# Altium PCB 脑电采集板V6.0.PcbDoc (part 1 of 2) (continued)
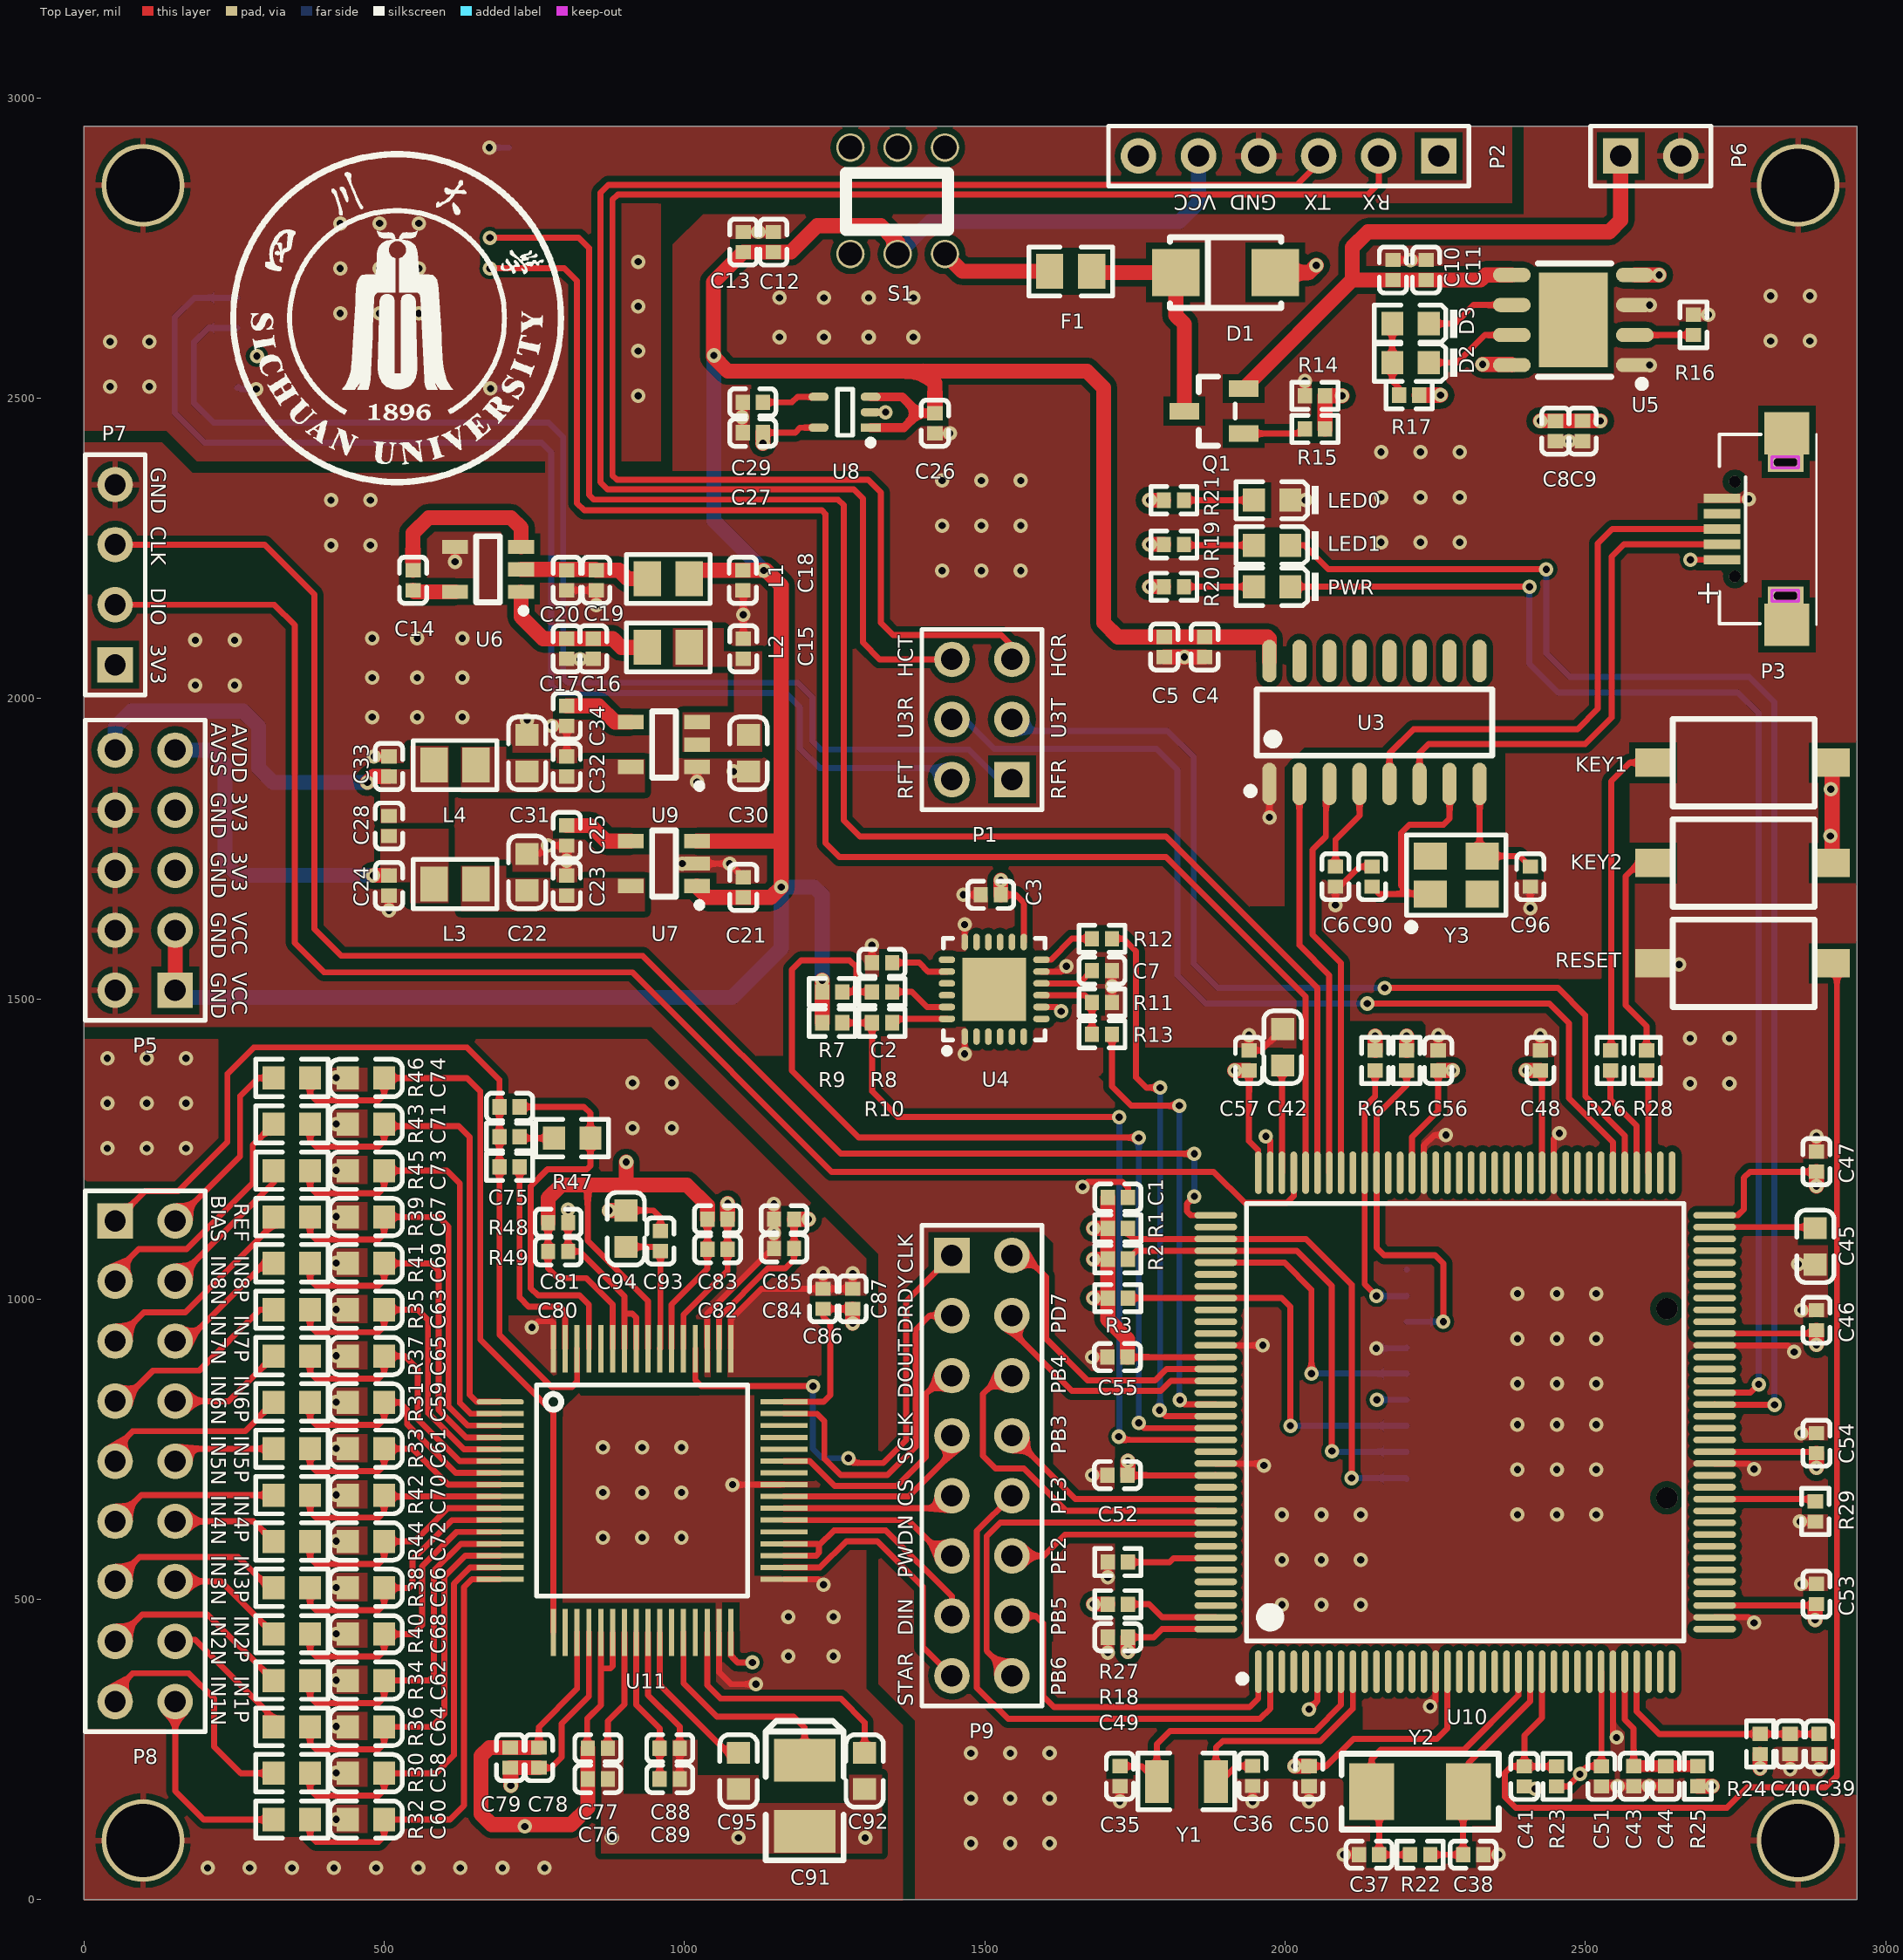
[diagram p0: Top Layer view]
## Components (designator, comment, footprint, x,y, rotation, side; value= is the part's Value field where it differs from the comment)
C1 "100nF" 0402_C 1721.73,1169 r180 top
C2 "10uF" 0402_C 1329,1560 r180 top
C3 "100nF" 0402_C 1510,1673 r180 top
C4 "10uF (106) 20% 6.3V" 0402_C 1866,2085.73 r270 top
C5 "100nF (104) 10% 16V" 0402_C 1799,2085.73 r270 top
C6 "100nF" 0402_C 2084,1703.27 r270 top
C7 "100nF" 0402_C 1695.27,1547 r180 top
C8 "100nF" 0402_C 2450.27,2445.17 r90 top
C9 "10uF" 0402_C 2495.27,2445.21 r90 top
C10 "10uF" 0402_C 2179.61,2713.27 r270 top
C11 "100nF" 0402_C 2234.73,2713.27 r270 top
C12 "100nF" 0402_C 1148,2759.73 r270 top
C13 "10uF" 0402_C 1098,2759.81 r270 top
C14 "1uF" 0402_C 548,2196.73 r90 top
C15 "10uF" 0402_C 1098,2082.64 r270 top
C16 "1uF" 0402_C 847.96,2082.64 r90 top
C17 "10uF" 0402_C 804.02,2082.64 r90 top
C18 "10uF" 0402_C 1097,2196.73 r90 top
C19 "1uF" 0402_C 853,2196.73 r90 top
C20 "10uF" 0402_C 804.02,2196.73 r90 top
C21 "1uF" 0402_C 1098,1685.42 r270 top
C22 "2.2uF" 0603_C 737.96,1710.63 r270 top
C23 "10uF" 0402_C 804.02,1688.58 r270 top
C24 "10uF" 0402_C 507.96,1688.58 r90 top
C25 "1uF" 0402_C 804.02,1771.73 r90 top
C26 "1uF" 0402_C 1417,2458.24 r90 top
C27 "1uF" 0402_C 1113.75,2442.5 r0 top
C28 "100nF" 0402_C 507.96,1787.66 r270 top
C29 "10nF" 0402_C 1113.75,2493 r0 top
C30 "2.2uF" 0603_C 1106.46,1908.78 r90 top
C31 "2.2uF" 0603_C 737.96,1908.78 r270 top
C32 "10uF" 0402_C 804.02,1886.73 r270 top
C33 "10uF" 0402_C 507.96,1886.73 r270 top
C34 "10nF" 0402_C 804.02,1970.94 r90 top
C35 "10pF" 0402_C 1725,205.67 r90 top
C36 "10pF" 0402_C 1946,206 r90 top
C37 "22pF" 0402_C 2140,75 r0 top
C38 "22pF" 0402_C 2313.27,75 r180 top
C39 "10uF  10V" 0402_C 2889.43,259.27 r270 top
C40 "100nF  50V" 0402_C 2841,259.27 r270 top
C41 "100nF  50V" 0402_C 2398.52,205.27 r90 top
C42 "2.2uF 16V" 0603_C 1996,1419.32 r270 top
C43 "10uF  10V" 0402_C 2580.44,205.67 r90 top
C44 "100nF  50V" 0402_C 2633.92,205.67 r90 top
C45 "2.2uF (225) 10% 16V" 0603_C 2883,1087.68 r90 top
C46 "100nF" 0402_C 2885,964.73 r270 top
C47 "100nF" 0402_C 2885,1228.73 r270 top
C48 "100nF" 0402_C 2425,1397.27 r270 top
C49 "100nF" 0402_C 1721.73,437 r0 top
C50 "100nF" 0402_C 2040,205.67 r90 top
C51 "100nF" 0402_C 2526.96,205.27 r90 top
C52 "100nF" 0402_C 1721,707 r0 top
C53 "100nF" 0402_C 2885,509 r270 top
C54 "100nF" 0402_C 2885,760 r270 top
C55 "100nF" 0402_C 1721,903.27 r0 top
C56 "100nF" 0402_C 2255,1397.27 r270 top
C57 "100nF" 0402_C 1940,1397.27 r270 top
C58 "4.7nF" 0603_C 469.68,210.61 r0 top
C59 "4.7nF" 0603_C 469.68,827.94 r0 top
C60 "4.7nF" 0603_C 469.69,133.44 r180 top
C61 "4.7nF" 0603_C 469.69,750.78 r180 top
C62 "4.7nF" 0603_C 469.68,364.94 r0 top
C63 "4.7nF" 0603_C 469.68,982.28 r0 top
C64 "4.7nF" 0603_C 469.69,287.78 r180 top
C65 "4.7nF" 0603_C 469.69,905.11 r180 top
C66 "4.7nF" 0603_C 469.68,519.28 r0 top
C67 "4.7nF" 0603_C 469.68,1136.61 r0 top
C68 "4.7nF" 0603_C 469.69,442.11 r180 top
C69 "4.7nF" 0603_C 469.69,1059.44 r180 top
C70 "4.7nF" 0603_C 469.68,673.61 r0 top
C71 "4.7nF" 0603_C 469.68,1290.94 r0 top
C72 "4.7nF" 0603_C 469.69,596.44 r180 top
C73 "4.7nF" 0603_C 469.69,1213.78 r180 top
C74 "4.7nF" 0603_C 469.68,1368.11 r0 top
C75 "10nF" 0402_C 708.73,1320 r0 top
C76 "1uF 50V" 0402_C 855.68,201 r0 top
C77 "100nF 50V" 0402_C 855.68,252.2 r0 top
C78 "1uF 50V" 0402_C 757.68,236.46 r270 top
C79 "100nF 50V" 0402_C 709.81,236.46 r270 top
C80 "1uF 50V" 0402_C 789.57,1079.41 r0 top
C81 "100nF 50V" 0402_C 789.57,1127.26 r0 top
C82 "1uF 50V" 0402_C 1055,1083 r0 top
C83 "100nF 50V" 0402_C 1055,1133 r0 top
C84 "1uF 50V" 0402_C 1165.79,1084.57 r180 top
C85 "100nF 50V" 0402_C 1165.79,1133 r180 top
C86 "1uF 50V" 0402_C 1231,1000.46 r90 top
C87 "100nF 50V" 0402_C 1280,1000.46 r90 top
C88 "10uF" 0402_C 975.42,252.2 r180 top
C89 "100nF" 0402_C 975.42,201 r0 top
C90 "22pF" 0402_C 2145,1703.27 r270 top
C91 "100uF" CASE-B_3528 1200,173 r90 top
C92 "1uF" 0603_C 1300,214.41 r90 top
C93 "100nF" 0402_C 960,1096.73 r270 top
C94 "1uF" 0603_C 902.36,1117.2 r270 top
C95 "1uF" 0603_C 1090,214.41 r90 top
C96 "22pF" 0402_C 2408.27,1703.27 r90 top
D1 "SS210" SMA(DO-214AC)_S1 1901,2709 r0 top
D2 "红灯 0603" 0603_LED_S1 2208.89,2559.09 r180 top
D3 "绿灯 0603" 0603_LED_S1 2208.89,2624 r180 top
F1 "Fuse 1A" 0805_R 1643.04,2711 r180 top
KEY1 "SW-PB" KEY_3.6*2.5 2762,1893 r180 top
KEY2 "SW-PB" KEY_3.6*2.5 2762,1726 r180 top
L1 "3.3uH±10%" 0805_L 972.96,2199.09 r180 top
L2 "3.3uH±10%" 0805_L 972.96,2085 r0 top
L3 "3.3uH±10%" 0805_L 617.92,1690.94 r180 top
L4 "3.3uH±10%" 0805_L 617.92,1889.09 r180 top
LED0 "红灯 0603" 0603_LED_S1 1978.61,2330 r180 top (schematic designator D6)
LED1 "绿灯 0603" 0603_LED_S1 1978.61,2255 r180 top (schematic designator D4)
P1 "蓝牙选择" HDR2X3 1545.28,1865 r90 top
P2 "HC-05_CON" HDR1X6 2256,2903 r180 top
P3 "USB" MICRO-USB 2814,2282 r90 top
P5 "电源" HDR2X5 152,1514 r90 top
P6 "battery" HDR1X2 2559,2903 r0 top
P7 "SWD" HDR1X4 52,2056 r90 top
P8 "Header 9X2" HDR2X9 52,1130 r270 top
P9 "Header 8X2" HDR2X8 1445.28,1072.52 r270 top
PWR "绿灯 0603" 0603_LED_S1 1978.61,2186 r180 top (schematic designator D5)
Q1 "BSS84LT1G" SOT-23(SOT-23-3) 1881.79,2478.4 r0 top
R1 "47KΩ" 0402_R 1721.73,1117.58 r180 top
R2 "47KΩ" 0402_R 1721.73,1066.46 r180 top
R3 "47KΩ" 0402_R 1721.73,1001.69 r180 top
R5 "47KΩ" 0402_R 2202.5,1397.27 r90 top
R6 "47KΩ" 0402_R 2150,1397.27 r90 top
R7 "4.7KΩ" 0402_R 1246,1511.37 r0 top
R8 "120Ω" 0402_R 1329,1511.37 r180 top
R9 "4.7KΩ" 0402_R 1246,1460 r0 top
R10 "120Ω" 0402_R 1329,1460 r180 top
R11 "10KΩ" 0402_R 1695.27,1494 r0 top
R12 "120Ω" 0402_R 1695.27,1600 r180 top
R13 "120Ω" 0402_R 1695.27,1441 r0 top
R14 "100KΩ" 0402_R 2049.94,2504 r180 top
R15 "100KΩ" 0402_R 2049.94,2448.45 r180 top
R16 "1.2KΩ" 0402_R 2680,2622 r270 top
R17 "1KΩ" 0402_R 2206.57,2505 r0 top
R18 "0Ω" 0402_R 1721.73,492 r0 top
R19 "510Ω" 0402_R 1815,2256.41 r0 top
R20 "510Ω" 0402_R 1815,2186 r0 top
R21 "1KΩ" 0402_R 1815,2330 r0 top
R22 "1MΩ" 0402_R 2225,75 r0 top
R23 "10K" 0402_R 2452,205.27 r90 top
R24 "10Ω" 0402_R 2791,259.27 r90 top
R25 "10Ω (10R0) ±1%" 0402_R 2687.4,205.67 r270 top
R26 "10K" 0402_R 2542,1397.27 r270 top
R27 "10K" 0402_R 1721.73,562 r0 top
R28 "10K" 0402_R 2602,1397.27 r270 top
R29 "10K" 0402_R 2883,646.27 r90 top
R30 "4.99KΩ" 0603_R 346.31,210.61 r0 top
R31 "4.99KΩ" 0603_R 346.31,827.94 r0 top
R32 "4.99KΩ" 0603_R 346.31,133.44 r0 top
R33 "4.99KΩ" 0603_R 346.31,750.78 r0 top
R34 "4.99KΩ" 0603_R 346.31,364.94 r0 top
R35 "4.99KΩ" 0603_R 346.31,982.28 r0 top
R36 "4.99KΩ" 0603_R 346.31,287.78 r0 top
R37 "4.99KΩ" 0603_R 346.31,905.11 r0 top
R38 "4.99KΩ" 0603_R 346.31,519.28 r0 top
R39 "4.99KΩ" 0603_R 346.31,1136.61 r0 top
R40 "4.99KΩ" 0603_R 346.31,442.11 r0 top
R41 "4.99KΩ" 0603_R 346.31,1059.44 r0 top
R42 "4.99KΩ" 0603_R 346.31,673.61 r0 top
R43 "4.99KΩ" 0603_R 346.31,1290.94 r0 top
R44 "4.99KΩ" 0603_R 346.31,596.44 r0 top
R45 "4.99KΩ" 0603_R 346.31,1213.78 r0 top
R46 "4.99KΩ" 0603_R 346.31,1368.11 r0 top
R47 "390KΩ" 0603_R 813,1268 r0 top
R48 "2KΩ" 0402_R 708.73,1270 r0 top
R49 "0Ω (0R0) ±1%" 0402_R 708.73,1220 r180 top
RESET "SW-PB" KEY_3.6*2.5 2762,1559 r180 top
S1 "SW-PB" KEY_5.8*5.8 1433.74,2740 r90 top
U1 "nRF52832" nRF52832 518,2732 r0 bottom
U2 "TF_Card" TF_1 2202.93,700.54 r90 bottom
U3 "CH340G" SOIC-16_150mil 2149,1960 r0 top
U4 "MPU-6050" QFN-24_4x4x05P 1515.75,1515.75 r0 top
U5 "TP4056" SOP-8_EP_150mil 2480,2630 r90 top
U6 "TPS60403" SOT-23-5 673,2215 r0 top
U7 "TPS73225" SOT-23-5 965.81,1725 r0 top
U8 "TPS71733DCKR" SC-70-5 1310,2450.92 r180 top
U9 "TPS72325" SOT-23-5 965.81,1923.15 r0 top
U10 "STM32F429ZGT6" LQFP-144_20x20x05P 2300,795 r0 top
U11 "ADS1299IPAG" ADS1299 623.25,928.86 r0 top
Y1 "32.768KHz" "SMD-3215_2P FC - 135" 1835.79,196.81 r0 top
Y2 "8MHz" SMD-5032_2P 2225,180 r0 top
Y3 "12MHZ" SMD-3225_4P 2285,1706 r0 top

## Footprints (in the part's own frame and the unit in brackets; to place one, negate y for a bottom-side part, rotate by r counter-clockwise, add the part's x,y. Pads: shape width x height; smd on the part's side, far side on the other; paste and mask are expansions set on the pad)
0402_C [mm]
  rect 0.6x0.65 smd mask+0.051: 1(-0.425,0) 2(0.425,0)
  silkscreen extent -0.97,-0.58 0.97,0.58, body extent -0.48,-0.3 0.52,0.3, height 0.2
0402_R [mm]
  rect 0.6x0.65 smd mask+0.051: 1(-0.425,0) 2(0.425,0)
  silkscreen extent -0.97,-0.58 0.97,0.58, body extent -0.57,-0.27 0.58,0.28, height 0.41
0603_C [mm]
  rect 0.93x0.98 smd: 1(-0.77,0) 2(0.77,0)
  silkscreen extent -1.53,-0.79 1.54,0.79, body extent -0.8,-0.4 0.8,0.4, height 0.3
0603_LED_S1 [mm]
  rect 0.93x0.98 smd: A(0.77,0) K(-0.77,0)
  silkscreen extent -1.98,-0.79 1.54,0.79, body extent -0.8,-0.4 0.8,0.4, height 0.6
0603_R [mm]
  rect 0.93x0.98 smd: 1(-0.77,0) 2(0.77,0)
  silkscreen extent -1.53,-0.79 1.54,0.79, body extent -0.85,-0.4 0.85,0.4, height 0.56
0805_L [mm]
  rect 1.16x1.47 smd: 1(-0.89,0) 2(0.89,0)
  silkscreen extent -1.77,-1.04 1.77,1.03, body extent -1.02,-0.64 1.03,0.64, height 0.6
0805_R [mm]
  rect 1.16x1.47 smd: 1(-0.89,0) 2(0.89,0)
  silkscreen extent -1.77,-1.04 1.77,1.03, body extent -1,-0.62 1,0.63, height 0.49
ADS1299 [mm]
  oval 2x0.22 smd: 1(1.778,-2.54)
  rect 2x0.22 smd: 2(1.778,-3.04) 3(1.778,-3.54) 4(1.778,-4.04) 5(1.778,-4.54) 6(1.778,-5.04) 7(1.778,-5.54) 8(1.778,-6.04) 9(1.778,-6.54) 10(1.778,-7.04) 11(1.778,-7.54) 12(1.778,-8.04) 13(1.778,-8.54) 14(1.778,-9.04) 15(1.778,-9.54) 16(1.778,-10.04) 33(13.778,-10.04) 34(13.778,-9.54) 35(13.778,-9.04) 36(13.778,-8.54) 37(13.778,-8.04) 38(13.778,-7.54) 39(13.778,-7.04) 40(13.778,-6.54) 41(13.778,-6.04) 42(13.778,-5.54) 43(13.778,-5.04) 44(13.778,-4.54) 45(13.778,-4.04) 46(13.778,-3.54) 47(13.778,-3.04) 48(13.778,-2.54)
  rect 0.22x2 smd: 17(4.028,-12.29) 18(4.528,-12.29) 19(5.028,-12.29) 20(5.528,-12.29) 21(6.028,-12.29) 22(6.528,-12.29) 23(7.028,-12.29) 24(7.528,-12.29) 25(8.028,-12.29) 26(8.528,-12.29) 27(9.028,-12.29) 28(9.528,-12.29) 29(10.028,-12.29) 30(10.528,-12.29) 31(11.028,-12.29) 32(11.528,-12.29) 49(11.528,-0.29) 50(11.028,-0.29) 51(10.528,-0.29) 52(10.028,-0.29) 53(9.528,-0.29) 54(9.028,-0.29) 55(8.528,-0.29) 56(8.028,-0.29) 57(7.528,-0.29) 58(7.028,-0.29) 59(6.528,-0.29) 60(6.028,-0.29) 61(5.528,-0.29) 62(5.028,-0.29) 63(4.528,-0.29) 64(4.028,-0.29)
  silkscreen extent 3.31,-10.75 12.24,-1.83
CASE-B_3528 [mm]
  rect 1.8x2.6 smd: 1(1.5,0) 2(-1.5,0)
  silkscreen extent -2.73,-1.65 3.16,1.65, body extent -1.85,-1.47 1.85,1.46, height 2.03
HDR1X2 [mm] "Connector; Header; 2 Position"
  rect 1.5x1.5 hole 0.9: 1(0,0)
  round 1.5 hole 0.9: 2(2.54,0)
  silkscreen extent -1.27,-1.27 3.81,1.27
HDR1X4 [mm] "Connector; Header; 4 Position"
  rect 1.5x1.5 hole 0.9: 1(0,0)
  round 1.5 hole 0.9: 2(2.54,0) 3(5.08,0) 4(7.62,0)
  silkscreen extent -1.27,-1.27 8.89,1.27
HDR1X6 [mm] "Connector; Header; 6 Position"
  rect 1.5x1.5 hole 0.9: 1(0,0)
  round 1.5 hole 0.9: 2(2.54,0) 3(5.08,0) 4(7.62,0) 5(10.16,0) 6(12.7,0)
  silkscreen extent -1.27,-1.27 13.97,1.27
HDR2X3 [mm] "Connector; Header; 3x2 Position"
  rect 1.5x1.5 hole 0.9: 1(0,0)
  round 1.5 hole 0.9: 2(0,2.54) 3(2.54,0) 4(2.54,2.54) 5(5.08,0) 6(5.08,2.54)
  silkscreen extent -1.27,-1.27 6.35,3.81
HDR2X5 [mm] "Connector; Header; 5x2 Position"
  rect 1.5x1.5 hole 0.9: 1(0,0)
  round 1.5 hole 0.9: 2(0,2.54) 3(2.54,0) 4(2.54,2.54) 5(5.08,0) 6(5.08,2.54) 7(7.62,0) 8(7.62,2.54) 9(10.16,0) 10(10.16,2.54)
  silkscreen extent -1.27,-1.27 11.43,3.81
HDR2X8 [mm] "Connector; Header; 8x2 Position"
  rect 1.5x1.5 hole 0.9: 1(0,0)
  round 1.5 hole 0.9: 2(0,2.54) 3(2.54,0) 4(2.54,2.54) 5(5.08,0) 6(5.08,2.54) 7(7.62,0) 8(7.62,2.54) 9(10.16,0) 10(10.16,2.54) 11(12.7,0) 12(12.7,2.54) 13(15.24,0) 14(15.24,2.54) 15(17.78,0) 16(17.78,2.54)
  silkscreen extent -1.27,-1.27 19.05,3.81
HDR2X9 [mm] "Connector; Header; 9x2 Position"
  rect 1.5x1.5 hole 0.9: 1(0,0)
  round 1.5 hole 0.9: 2(0,2.54) 3(2.54,0) 4(2.54,2.54) 5(5.08,0) 6(5.08,2.54) 7(7.62,0) 8(7.62,2.54) 9(10.16,0) 10(10.16,2.54) 11(12.7,0) 12(12.7,2.54) 13(15.24,0) 14(15.24,2.54) 15(17.78,0) 16(17.78,2.54) 17(20.32,0) 18(20.32,2.54)
  silkscreen extent -1.27,-1.27 21.59,3.81
KEY_3.6*2.5 [mm]
  rect 1.5x1.2 smd: 1(-3.784,0) 2(3.785,0)
  silkscreen extent -3.05,-1.85 2.95,1.85
KEY_5.8*5.8 [mm] "KEY_5.8*5.8"
  round 1.2 hole 1: 1(0,0) 2(0,2) 3(0,4) 4(4.5,4) 5(4.5,2) 6(4.5,0)
  silkscreen extent 1.02,-0.13 3.43,4.19
LQFP-144_20x20x05P [mm]
  oval 0.28x1.8 smd mask+0.051: 1(-8.75,-10.55) 2(-8.25,-10.55) 3(-7.75,-10.55) 4(-7.25,-10.55) 5(-6.75,-10.55) 6(-6.25,-10.55) 7(-5.75,-10.55) 8(-5.25,-10.55) 9(-4.75,-10.55) 10(-4.25,-10.55) 11(-3.75,-10.55) 12(-3.25,-10.55) 13(-2.75,-10.55) 14(-2.25,-10.55) 15(-1.75,-10.55) 16(-1.25,-10.55) 17(-0.75,-10.55) 18(-0.25,-10.55) 19(0.25,-10.55) 20(0.75,-10.55) 21(1.25,-10.55) 22(1.75,-10.55) 23(2.25,-10.55) 24(2.75,-10.55) 25(3.25,-10.55) 26(3.75,-10.55) 27(4.25,-10.55) 28(4.75,-10.55) 29(5.25,-10.55) 30(5.75,-10.55) 31(6.25,-10.55) 32(6.75,-10.55) 33(7.25,-10.55) 34(7.75,-10.55) 35(8.25,-10.55) 36(8.75,-10.55) 73(8.75,10.55) 74(8.25,10.55) 75(7.75,10.55) 76(7.25,10.55) 77(6.75,10.55) 78(6.25,10.55) 79(5.75,10.55) 80(5.25,10.55) 81(4.75,10.55) 82(4.25,10.55) 83(3.75,10.55) 84(3.25,10.55) 85(2.75,10.55) 86(2.25,10.55) 87(1.75,10.55) 88(1.25,10.55) 89(0.75,10.55) 90(0.25,10.55) 91(-0.25,10.55) 92(-0.75,10.55) 93(-1.25,10.55) 94(-1.75,10.55) 95(-2.25,10.55) 96(-2.75,10.55) 97(-3.25,10.55) 98(-3.75,10.55) 99(-4.25,10.55) 100(-4.75,10.55) 101(-5.25,10.55) 102(-5.75,10.55) 103(-6.25,10.55) 104(-6.75,10.55) 105(-7.25,10.55) 106(-7.75,10.55) 107(-8.25,10.55) 108(-8.75,10.55)
  oval 1.8x0.28 smd mask+0.051: 37(10.55,-8.75) 38(10.55,-8.25) 39(10.55,-7.75) 40(10.55,-7.25) 41(10.55,-6.75) 42(10.55,-6.25) 43(10.55,-5.75) 44(10.55,-5.25) 45(10.55,-4.75) 46(10.55,-4.25) 47(10.55,-3.75) 48(10.55,-3.25) 49(10.55,-2.75) 50(10.55,-2.25) 51(10.55,-1.75) 52(10.55,-1.25) 53(10.55,-0.75) 54(10.55,-0.25) 55(10.55,0.25) 56(10.55,0.75) 57(10.55,1.25) 58(10.55,1.75) 59(10.55,2.25) 60(10.55,2.75) 61(10.55,3.25) 62(10.55,3.75) 63(10.55,4.25) 64(10.55,4.75) 65(10.55,5.25) 66(10.55,5.75) 67(10.55,6.25) 68(10.55,6.75) 69(10.55,7.25) 70(10.55,7.75) 71(10.55,8.25) 72(10.55,8.75) 109(-10.55,8.75) 110(-10.55,8.25) 111(-10.55,7.75) 112(-10.55,7.25) 113(-10.55,6.75) 114(-10.55,6.25) 115(-10.55,5.75) 116(-10.55,5.25) 117(-10.55,4.75) 118(-10.55,4.25) 119(-10.55,3.75) 120(-10.55,3.25) 121(-10.55,2.75) 122(-10.55,2.25) 123(-10.55,1.75) 124(-10.55,1.25) 125(-10.55,0.75) 126(-10.55,0.25) 127(-10.55,-0.25) 128(-10.55,-0.75) 129(-10.55,-1.25) 130(-10.55,-1.75) 131(-10.55,-2.25) 132(-10.55,-2.75) 133(-10.55,-3.25) 134(-10.55,-3.75) 135(-10.55,-4.25) 136(-10.55,-4.75) 137(-10.55,-5.25) 138(-10.55,-5.75) 139(-10.55,-6.25) 140(-10.55,-6.75) 141(-10.55,-7.25) 142(-10.55,-7.75) 143(-10.55,-8.25) 144(-10.55,-8.75)
  silkscreen extent -9.57,-11 9.25,9.25
MICRO-USB [mm]
  rect 0.4x1.55 smd: 1(-1.3,2.2) 2(-0.65,2.2) 3(0,2.2) 4(0.65,2.2) 5(1.3,2.2)
  rect 1.8x1.9 smd: 6(-4.05,-0.55) 6(4.05,-0.55)
  rect 0.8x1.5 hole 0.4 slot 1 at 90 deg: 6(-2.825,-0.5) 6(2.825,-0.5)
  round 0.5 hole 0.5 unplated: ""(-2,1.65) ""(2,1.65)
  Keep-Out Layer lines w0.127: -3.054,0.075 -3.054,-1.043 -2.596,-1.043 -2.596,0.075 -3.054,0.075 ; 2.596,0.075 2.596,-1.043 3.054,-1.043 3.054,0.075 2.596,0.075
  silkscreen extent -4.05,-1.8 4,2.3, body extent -4.03,-3.3 4.03,2.28, height 3.13
nRF52832 [mm]
  rect 2x1 smd: 1(4.826,-4.699) 2(4.826,-3.429) 3(4.826,-2.159) 4(4.826,-0.889) 5(4.826,0.381) 6(4.826,1.651) 7(4.826,2.921) 8(4.826,4.191) 9(4.826,5.461) 16(-6.674,5.461) 17(-6.674,4.191) 18(-6.674,2.921) 19(-6.674,1.651) 20(-6.674,0.381) 21(-6.674,-0.889) 22(-6.674,-2.159) 23(-6.674,-3.429) 24(-6.674,-4.699)
  rect 0.8x0.8 smd: 10(1.93,4.191) 11(0.864,4.191) 12(-0.203,4.191) 13(-1.27,4.191) 14(-2.337,4.191) 15(-3.404,4.191)
  silkscreen extent -4.7,-8.38 3.3,7.62
QFN-24_4x4x05P [mm]
  rect 2.68x2.68 smd mask+0.051: 0(0,0)
  oval 0.28x0.7 smd mask+0.051: 1(-1.25,-2) 2(-0.75,-2) 3(-0.25,-2) 4(0.25,-2) 5(0.75,-2) 6(1.25,-2) 13(1.25,2) 14(0.75,2) 15(0.25,2) 16(-0.25,2) 17(-0.75,2) 18(-1.25,2)
  oval 0.7x0.28 smd mask+0.051: 7(2,-1.25) 8(2,-0.75) 9(2,-0.25) 10(2,0.25) 11(2,0.75) 12(2,1.25) 19(-2,1.25) 20(-2,0.75) 21(-2,0.25) 22(-2,-0.25) 23(-2,-0.75) 24(-2,-1.25)
  silkscreen extent -2.15,-2.72 2.15,2.15
SC-70-5 [mm]
  rect 0.85x0.35 smd: 1(0,0)
  oval 0.85x0.35 smd: 2(0,-0.65) 3(0,-1.3) 4(2.2,-1.3) 5(2.2,0)
  silkscreen extent -0.13,-1.63 1.4,0.76
SMA(DO-214AC)_S1 [mm]
  rect 2x2 smd: 1(2.1,0) 2(-2.1,0)
  silkscreen extent -2.35,-1.5 2.35,1.5
"SMD-3215_2P FC - 135" [mm]
  rect 1x1.8 smd: 1(-1.25,0) 2(1.25,0)
  silkscreen extent -2.05,-1.2 2.05,1.2
SMD-3225_4P [mm]
  rect 1.4x1.15 smd: 1(-1.1,-0.8) 2(1.1,-0.8) 3(1.1,0.8) 4(-1.1,0.8)
  silkscreen extent -2.1,-2.35 2.1,1.7, body extent -1.6,-1.25 1.6,1.25, height 0.61
SMD-5032_2P [mm]
  rect 1.9x2.4 smd: 1(-2.05,0) 2(2.05,0)
  silkscreen extent -3.32,-1.6 3.32,1.6
SOIC-16_150mil [mm]
  oval 0.6x1.8 smd: 1(-4.445,-2.6) 2(-3.175,-2.6) 3(-1.905,-2.6) 4(-0.635,-2.6) 5(0.635,-2.6) 6(1.905,-2.6) 7(3.175,-2.6) 8(4.445,-2.6) 9(4.445,2.6) 10(3.175,2.6) 11(1.905,2.6) 12(0.635,2.6) 13(-0.635,2.6) 14(-1.905,2.6) 15(-3.175,2.6) 16(-4.445,2.6)
  silkscreen extent -5.4,-3.05 4.97,1.4
SOP-8_EP_150mil [mm]